# Altium PCB Main.PcbDoc (part 2 of 2)
Units mil, origin at the board's own origin, x right, y up, seen from the top; angles counter-clockwise.
Board outline 5243.55 x 2100.99 mil, 2 copper layers (Top Layer, Bottom Layer); 45 components, 63 nets, 314 pads, 247 vias.
Unrouted connection lines stored in the file: 45.
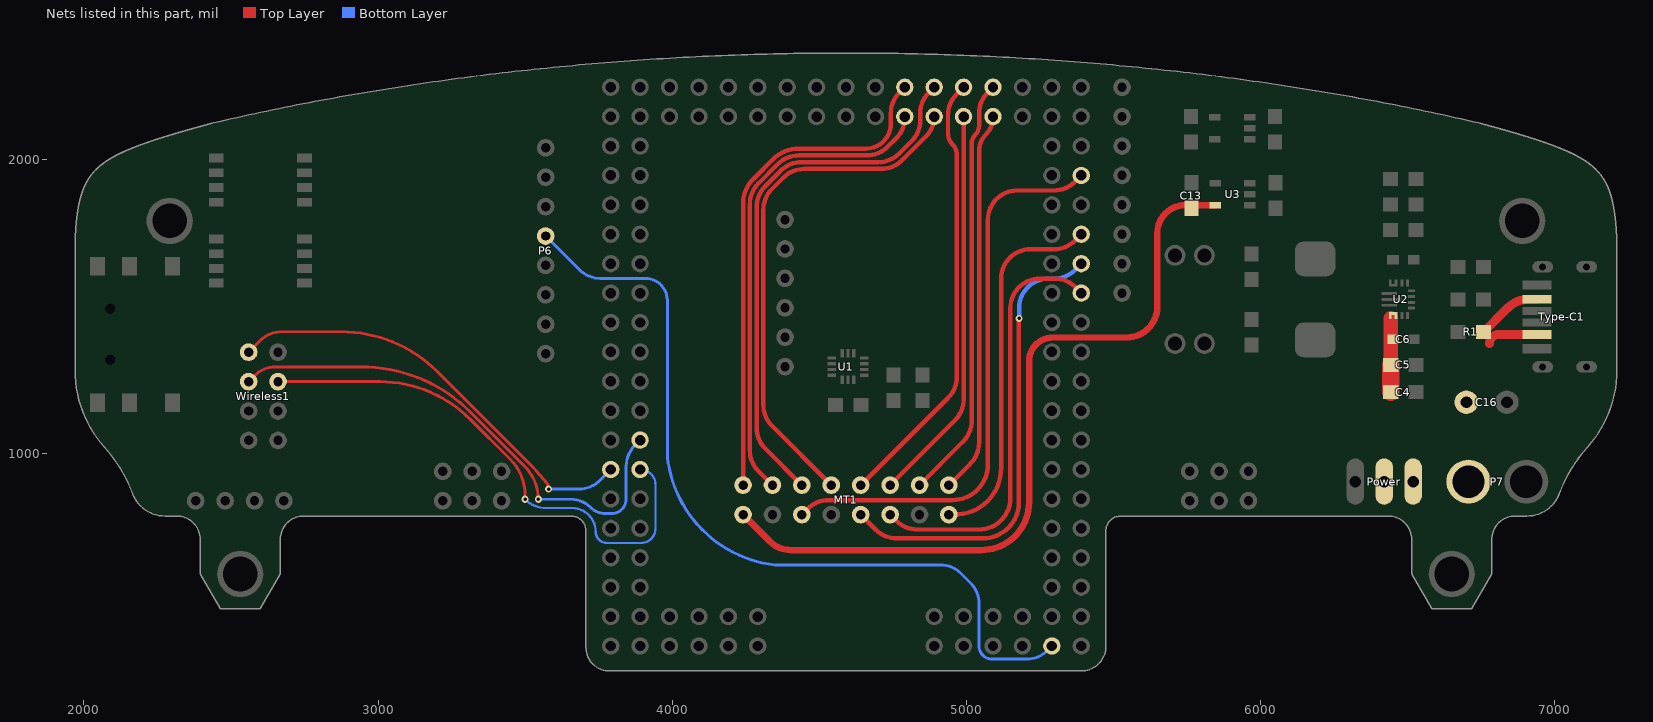
[diagram p2: the nets of this part, all layers, seen from the top]

## Via types
v1: diameter 24, hole 12, Top Layer to Bottom Layer, tented both sides, 244 vias
v2: diameter 40, hole 25, Top Layer to Bottom Layer, 1 vias
v3: diameter 30, hole 15, Top Layer to Bottom Layer, tented both sides, 1 vias
v4: diameter 35, hole 20, Top Layer to Bottom Layer, tented both sides, 1 vias

## Nets (pads, with @x,y where several pads share a name; then routed paths per layer and width w, separated by ;. In a path a pad name is that pad's centre, name@x,y a point inside that pad or via, vN(x,y) a via of type N, cw(c..) or ccw(c..) an arc to the next point about the centre after c; other vN are vias at no path point) (continued)
SPI_SDA: P6.4 U1.57 | length 2799.5
  Bottom Layer w10: P6.4@3570,1740.16 3684.77,1625.39 ccw(c3755.48,1696.1) 3755.48,1596.1 3908.81,1596.1 cw(c3908.81,1521.1) 3983.81,1521.1 3983.81,990.61 ccw(c3993.81,990.69) 3983.86,989.67 ccw(c4397.99,1035.29) 4350.16,621.41 4350.75,621.41 4911.37,622.1 ; 4911.39,622.1 cw(c4911.39,522.1) 4982.1,592.81 5014.52,560.39 cw(c4943.81,489.68) 5043.81,489.68 5043.81,346.1 ccw(c5088.81,346.1) 5088.81,301.1 5204.89,301.1 ccw(c5204.89,401.1) 5275.6,330.39 U1.57@5291.31,346.1
SXT_3V3: C13.2 MT1.16 U3.5 | length 2633.8
  Top Layer w22: MT1.16@4241.31,792.8 4332.61,701.49 ccw(c4403.32,772.2) 4403.32,672.2 5051.83,672.2 ccw(c5051.83,834.18) 5213.81,834.18 5213.81,1313.81 cw(c5295,1313.81) 5295,1395 5545,1395 ccw(c5545,1500) 5650,1500 5650,1750 cw(c5745,1750) 5745,1845 5765.94,1845 U3.5@5846.89,1845
V_BAT: P7.1 Power.1
VCC: C4.2 C5.2 C6.2 C16.1 Power.2 R1.1 Type-C1.A9 Type-C1.B9 U2.12 | length 651
  Top Layer w30: R1.1@6759.79,1413.9 6841.53,1495.63 cw(c6912.24,1424.92) 6912.24,1524.92 Type-C1.A9@6940.71,1524.92 ; 6780,1375 cw(c6810.24,1375) 6810.24,1405.24 Type-C1.B9@6940.71,1405.24
  Top Layer w49: C5.2@6443.81,1302.03 U2.12@6443.81,1460
  Top Layer w60: C4.2@6443.81,1209.53 C5.2@6443.81,1302.03
WL_RTS: U1.28 Wireless1.4 | length 1807.9
  Top Layer w10: Wireless1.4@2660,1245 3005.94,1245 cw(c3006.01,812.87) 3311.54,1118.46 3311.63,1118.37 3450.19,979.81 3450.25,979.75 cw(c3330.15,859.64) 3500,859.63 ; v1(3500,845) 3500,859.58
  Bottom Layer w8: v1(3500,845) 3500.71,844.29 ccw(c3571.42,915) 3571.42,815 3660,815 cw(c3660,735) 3740,735 ccw(c3778.9,735) 3778.9,696.1 3893.81,696.1 ccw(c3893.81,746.1) 3943.81,746.1 3943.81,893.6 ccw(c3891.31,893.6) U1.28@3891.31,946.1
WL_RX: U1.26 Wireless1.3 | length 1752.6
  Top Layer w10: Wireless1.3@2560,1245 2580.71,1265.71 cw(c2651.42,1195) 2651.42,1295 2943.87,1295 cw(c2943.93,772.27) 3313.55,1141.91 3313.62,1141.84 3498.66,956.8 ; 3498.69,956.77 cw(c3386.98,845) v1(3545,845)
  Bottom Layer w10: v1(3545,845) 3656.11,845 cw(c3656.11,751.11) 3722.5,817.5 ccw(c3774.16,869.16) 3774.16,796.1 3793.81,796.1 ccw(c3793.81,846.1) 3843.81,846.1 3843.81,957.18 cw(c3943.81,957.18) 3873.1,1027.89 U1.26@3891.31,1046.1
WL_TX: U1.27 Wireless1.1 | length 1490.1
  Top Layer w10: Wireless1.1@2560,1345 2600.4,1385.4 cw(c2671.11,1314.69) 2600.71,1385.71 cw(c2671.11,1314.69) 2671.11,1414.69 2873.76,1414.69 ; 2873.8,1414.69 cw(c2873.82,950.2) 3202.27,1278.64 3202.33,1278.58 3528.43,952.48 ; 3528.44,952.47 cw(c3445,869.03) 3539.05,940.3 cw(c3516.68,923.46) 3539.67,939.44 cw(c3516.68,923.46) 3539.93,939.06 3573.55,899.84 cw(c3554.02,883.06) 3579.76,883 v1(3579.76,879.76)
  Bottom Layer w10: v1(3579.76,879.76) 3683.55,879.76 ccw(c3683.55,979.76) 3754.26,909.05 U1.27@3791.31,946.1
ZZF0_OUT1: MT1.1 U1.99 | length 1301.3
  Top Layer w15: MT1.1@4941.31,892.8 5014.52,966.01 ccw(c4943.81,1036.72) 5043.81,1036.72 5043.81,2028.61 cw(c5124.89,2028.61) 5067.56,2085.95 ccw(c5010.22,2143.29) U1.99@5091.31,2143.29
ZZF0_OUT2: MT1.3 U1.100 | length 1444.6
  Top Layer w15: MT1.3@4841.31,892.8 4989.52,1041.01 ccw(c4918.81,1111.72) 5018.81,1111.72 5018.81,2054.52 cw(c5061.48,2054.52) 5031.31,2084.7 ccw(c5001.13,2114.88) 5043.81,2114.88 5043.81,2157.18 cw(c5143.81,2157.18) 5073.1,2227.89 U1.100@5091.31,2246.1
ZZF0_OUT3: MT1.5 U1.101 | length 1352.6
  Top Layer w15: MT1.5@4741.31,892.8 4962.02,1113.51 ccw(c4891.31,1184.22) 4991.31,1184.22 U1.101@4991.31,2146.1
ZZF0_OUT4: MT1.7 U1.102 | length 1510.3
  Top Layer w15: MT1.7@4641.31,892.8 4939.02,1190.51 ccw(c4868.31,1261.22) 4968.31,1261.22 4968.31,2015.64 ccw(c4916.75,2015.64) 4953.21,2052.1 ; 4953.18,2052.13 cw(c4989.66,2088.56) 4938.11,2088.56 4938.11,2151.48 cw(c5038.11,2151.48) 4967.4,2222.19 U1.102@4991.31,2246.1
ZZF0_OUT5: MT1.9 U1.103 | length 1770.2
  Top Layer w15: MT1.9@4541.31,892.8 4339.6,1094.51 cw(c4410.31,1165.22) 4310.31,1165.22 4310.31,1829.22 cw(c4410.31,1829.22) 4339.6,1899.94 4378.57,1938.91 cw(c4449.28,1868.2) 4449.28,1968.2 4710.91,1968.2 ccw(c4710.91,2068.2) 4781.62,1997.49 4863.78,2079.65 ccw(c4797.32,2146.1) U1.103@4891.31,2146.1
ZZF0_OUT6: MT1.11 U1.104 | length 1843.4
  Top Layer w15: MT1.11@4441.31,892.8 4316.6,1017.51 cw(c4387.31,1088.22) 4287.31,1088.22 4287.31,1838.75 cw(c4387.31,1838.75) 4316.6,1909.46 4369.04,1961.91 cw(c4439.76,1891.2) 4439.76,1991.2 4701.39,1991.2 ccw(c4701.39,2091.2) 4772.1,2020.49 4814.52,2062.91 ccw(c4743.81,2133.62) 4843.81,2133.62 4843.81,2158.45 cw(c4940.74,2158.45) 4872.2,2226.99 U1.104@4891.31,2246.1
ZZF0_OUT7: MT1.13 U1.105 | length 1663.6
  Top Layer w15: MT1.13@4341.31,892.8 4293.6,940.51 cw(c4364.31,1011.22) 4264.31,1011.22 4264.31,1848.28 cw(c4364.31,1848.28) 4293.6,1918.99 4359.52,1984.91 cw(c4430.23,1914.2) 4430.23,2014.2 4662.12,2014.2 ccw(c4662.12,2114.2) 4732.83,2043.49 4762.02,2072.68 ccw(c4691.31,2143.39) U1.105@4791.31,2143.39
ZZF0_OUT8: MT1.15 U1.106 | length 1743.4
  Top Layer w15: MT1.15@4241.31,892.8 4241.31,1853.28 cw(c4341.31,1853.28) 4251.24,1896.72 ccw(c4237.7,1903.18) 4251.44,1897.16 cw(c4364.31,1848.28) 4277.28,1935.2 4343.28,2001.2 cw(c4430.23,1914.2) 4430.23,2037.2 4658.81,2037.2 ccw(c4658.81,2122.2) 4743.81,2122.2 4743.81,2157.18 cw(c4843.81,2157.18) 4773.1,2227.89 U1.106@4791.31,2246.1
ZZF0_PCLK: MT1.2 U1.86 | length 1258.8
  Top Layer w15: MT1.2@4941.31,792.8 4961.84,792.8 ccw(c4961.84,949.76) 5118.81,949.76 5118.81,1595 cw(c5218.81,1595) 5218.81,1695 5298.78,1695 ccw(c5298.78,1795) 5369.49,1724.29 U1.86@5391.31,1746.1
ZZF0_RX1: MT1.6 U1.82 | length 1446.9
  Top Layer w15: MT1.6@4741.31,792.8 4762.61,771.49 ccw(c4833.32,842.2) 4833.32,742.2 5043.81,742.2 ccw(c5043.81,848.79) 5150.39,848.79 5150.39,1133.65 5150.31,1133.73 5150.31,1495 cw(c5250.31,1495) 5250.31,1595 5300.99,1595 cw(c5300.99,1495) 5371.7,1565.71 U1.82@5391.31,1546.1
ZZF0_TX1: MT1.8 U1.84 | length 1583.2
  Top Layer w15: MT1.8@4641.31,792.8 4692.61,741.49 ccw(c4763.32,812.2) 4763.32,712.2 5057.84,712.2 ccw(c5057.84,833.17) 5178.81,833.17 5178.81,1458.81 v1(5180,1460)
  Bottom Layer w15: v1(5180,1460) 5180,1495 cw(c5280,1495) 5280,1595 5298.78,1595 ccw(c5298.78,1695) 5369.49,1624.29 U1.84@5391.31,1646.1
ZZF0_VSYNC: MT1.12 U1.90 | length 1941.3
  Top Layer w15: MT1.12@4441.31,792.8 4461.42,812.91 cw(c4532.13,742.2) 4532.13,842.2 4953.66,842.2 ccw(c4953.66,962.35) 5073.81,962.35 5073.81,1795 cw(c5173.81,1795) 5173.81,1895 5298.78,1895 ccw(c5298.78,1995) 5369.49,1924.29 U1.90@5391.31,1946.1
pads on no net: Encoder.5 Encoder.6 Hole1.0 Hole2.0 Hole3.0 Hole4.0 ICM-1.2 ICM-1.3 ICM-1.4 ICM-1.9 ICM-1.10 ICM-1.11 K1. MT1.10 Power.3 Type-C1.0 Type-C1.A5 Type-C1.B5 U1.5 U1.6 U1.7 U1.8 U1.9 U1.10 U1.11 U1.12 U1.13 U1.14 U1.15 U1.16 U1.17 U1.18 U1.19 U1.22 U1.35 U1.37 U1.38 U1.39 U1.40 U1.41 U1.43 U1.45 U1.46 U1.47 U1.48 U1.49 U1.50 U1.51 U1.52 U1.53 U1.64 U1.65 U1.66 U1.67 U1.68 U1.69 U1.70 U1.71 U1.72 U1.73 U1.74 U1.75 U1.76 U1.77 U1.78 U1.79 U1.80 U1.81 U1.83 U1.88 U1.89 U1.91 U1.97 U1.110 U1.111 U1.112 U1.113 U1.114 U1.115 U1.116 U1.117 U1.118 U1.119 U1.120 U1.121 U1.122 U3.4 U4.4 Wireless1.2 Wireless1.8

## Polygon pours and split planes (outlines as drawn)
GND on Bottom Layer "GND_L02_P011" (solid, remove dead copper, pour order 11): 1930,220 7260,220 7260,2392.37 1930,2392.37
3V3 on Bottom Layer "3V3_L02_P008" (solid, remove dead copper, pour order 8): 5525,1685 ccw(c5524.99,1625.01) 5465,1625 5465,1495 cw(c5380,1495) 5380,1410 4772.07,1410 ccw(c4772.07,1400.86) 4765.61,1394.39 4850.86,1309.14 ccw(c4912.67,1370.96) 4912.67,1283.54 5448.54,1283.54 ccw(c5448.54,1420) 5585,1420 5585,1625 ccw(c5525,1625)
V_BAT on Bottom Layer "V_BAT_L02_P004" (solid, remove dead copper, pour order 4): 6520,985 ccw(c6520,955) 6490,955 6490,855 ccw(c6520,855) 6520,825 6710,825 ccw(c6710,900) 6785,900 6785,910 ccw(c6710,910) 6710,985
GND on Top Layer "GND_L01_P010" (solid, remove dead copper, pour order 10): 1930,220 7260,220 7260,2392.37 1930,2392.37
VCC on Top Layer "VCC_L01_P007" (solid, remove dead copper, pour order 7): 6410,1215.47 6410,1117.59 cw(c6355.44,1117.56) 6394,1078.95 ccw(c6439.81,1033.11) 6375,1033.09 6375,855 ccw(c6419.98,854.98) 6420,810 ccw(c6420,860) 6470,860 6470,942.6 cw(c6542.39,942.6) 6542.4,1015 ccw(c6542.4,1230.16) 6740.8,1146.89 6844.02,1392.8 6844.99,1395.46 ccw(c6844.84,1395.51) 6844.68,1395.51 6844.68,1419.65 ccw(c6800.01,1425.01) 6800,1470 6754.37,1470 ccw(c6754.37,1425.56) 6709.92,1425.92 6709.73,1403.66 cw(c6593.94,1404.64) 6690.53,1340.77 6597.23,1199.64 cw(c6532.8,1242.23) 6532.8,1165 6525,1165 cw(c6525,1210.68) 6479.32,1210.68 6479.32,1222.42 ccw(c6455.96,1222.42) 6470.34,1240.83 6448.02,1258.26 6425.64,1252.66 6420.56,1246.14 ccw(c6459.84,1215.47)
V_BAT on Top Layer "V_BAT_L01_P005" (solid, remove dead copper, pour order 5): 6520,985 ccw(c6520,955) 6490,955 6490,855 ccw(c6520,855) 6520,825 6710,825 ccw(c6710,900) 6785,900 6785,910 ccw(c6710,910) 6710,985

## Keep-outs
Keep-Out Layer:
  lines w10: 2439.32,2124.62 2459.37,2129.28 2479.47,2133.89 2499.61,2138.45 2519.79,2142.98 2540.02,2147.45 2560.28,2151.89 2580.59,2156.28 2600.94,2160.63 2621.33,2164.93 2641.76,2169.18 2662.23,2173.4 2682.74,2177.57 2703.29,2181.69 2723.88,2185.77 2744.51,2189.8 2765.17,2193.79 2785.87,2197.74 2806.61,2201.64 2827.38,2205.49 2848.19,2209.3 2869.04,2213.07 2889.92,2216.79 2910.84,2220.46 2931.79,2224.09 2952.78,2227.67 2973.8,2231.21 2994.85,2234.7 3015.93,2238.14 3037.05,2241.54 3058.2,2244.9 3079.38,2248.2 3100.59,2251.47 3121.83,2254.68 3143.1,2257.85 3164.4,2260.97 3185.74,2264.05 3207.09,2267.08 3228.48,2270.07 3249.9,2273 3271.34,2275.89 3292.81,2278.74 3314.31,2281.54 3335.83,2284.29 3357.38,2286.99 3378.95,2289.65 3400.55,2292.26 3422.18,2294.82 3443.82,2297.34 3465.49,2299.81 3487.19,2302.23 3508.9,2304.6 3530.64,2306.93 3552.4,2309.21 3574.18,2311.45 3595.99,2313.63 3617.81,2315.77 3639.65,2317.86 3661.51,2319.91 3683.4,2321.9 3705.3,2323.85 3727.21,2325.75 3749.15,2327.61 3771.1,2329.41 3793.07,2331.17 3815.06,2332.88 3837.06,2334.54 3859.08,2336.16 3881.11,2337.72 3903.16,2339.24 3925.22,2340.71 3947.29,2342.14 3969.38,2343.51 3991.48,2344.84 4013.59,2346.12 4035.72,2347.35 4057.86,2348.53 4080,2349.67 4102.16,2350.76 4124.33,2351.79 4146.51,2352.78 4168.69,2353.73 4190.89,2354.62 4213.09,2355.47 4235.3,2356.26 4257.52,2357.01 4279.74,2357.71 4301.98,2358.37 4324.21,2358.97 4346.46,2359.53 4368.7,2360.04 4390.96,2360.5 4413.21,2360.91 4435.47,2361.27 4457.74,2361.58 4480,2361.85 4502.27,2362.07 4524.54,2362.24 4546.81,2362.36 4569.08,2362.43 4591.36,2362.45 ; 2439.67,2124.72 2435.3,2123.55 2433.13,2122.97 2430.98,2122.39 2428.85,2121.82 2426.73,2121.25 2424.62,2120.69 2422.53,2120.12 2420.45,2119.56 2418.39,2119.01 2416.34,2118.45 2414.3,2117.9 2412.28,2117.35 2410.27,2116.81 2408.28,2116.26 2406.29,2115.72 2404.32,2115.19 2402.37,2114.65 2400.42,2114.12 2398.49,2113.59 2396.57,2113.07 2394.66,2112.54 2392.77,2112.02 2390.88,2111.51 2389.01,2110.99 2387.15,2110.48 2385.31,2109.97 2383.47,2109.46 2381.65,2108.96 2379.83,2108.45 2378.03,2107.95 2376.24,2107.45 2374.46,2106.96 2372.69,2106.47 2370.94,2105.98 2369.19,2105.49 2367.45,2105 2365.73,2104.52 2364.01,2104.04 2362.31,2103.56 2360.62,2103.08 2358.93,2102.61 2357.26,2102.13 2355.6,2101.66 2353.94,2101.19 2352.3,2100.73 2350.66,2100.26 2349.04,2099.8 2347.43,2099.34 2345.82,2098.88 2344.23,2098.43 2342.64,2097.97 2341.06,2097.52 2339.49,2097.07 2337.94,2096.62 2336.39,2096.18 2334.85,2095.73 2333.31,2095.29 2331.79,2094.85 2330.28,2094.41 2328.77,2093.97 2327.28,2093.54 2325.79,2093.1 2324.31,2092.67 2322.84,2092.24 2321.37,2091.81 2319.92,2091.39 2318.47,2090.96 2317.03,2090.54 2315.6,2090.12 2314.18,2089.7 2312.76,2089.28 2311.36,2088.86 2309.96,2088.45 2308.56,2088.04 2307.18,2087.63 2305.8,2087.22 2304.44,2086.81 2303.07,2086.4 2301.72,2085.99 2300.37,2085.59 2299.03,2085.19 2297.7,2084.79 2296.38,2084.39 2295.06,2083.99 2293.75,2083.59 2292.44,2083.2 2291.15,2082.81 2289.86,2082.41 2288.57,2082.02 2287.3,2081.63 2286.03,2081.24 2284.76,2080.86 2283.51,2080.47 2282.26,2080.09 2279.78,2079.32 2277.32,2078.57 2274.89,2077.81 2272.49,2077.06 2270.11,2076.32 2267.75,2075.58 2265.42,2074.85 2263.11,2074.12 2260.83,2073.39 2258.56,2072.67 2256.32,2071.96 2254.11,2071.24 2251.91,2070.54 2249.73,2069.83 2247.58,2069.13 2245.45,2068.44 2243.33,2067.75 2241.24,2067.06 2239.17,2066.38 2237.12,2065.7 2235.08,2065.02 2233.07,2064.35 2231.07,2063.68 2229.09,2063.02 2227.14,2062.35 2225.2,2061.7 2223.27,2061.04 2221.37,2060.39 2219.48,2059.74 2217.61,2059.09 2215.76,2058.45 2213.92,2057.81 2212.1,2057.18 2210.29,2056.54 2208.51,2055.91 2206.73,2055.28 2204.98,2054.66 2203.24,2054.04 2201.51,2053.42 2199.8,2052.8 2198.1,2052.19 2196.42,2051.57 2194.75,2050.96 2193.1,2050.36 2191.46,2049.75 2189.84,2049.15 2188.22,2048.55 2186.63,2047.95 2185.04,2047.36 2183.47,2046.76 2181.91,2046.17 2180.37,2045.58 2178.84,2045 2177.32,2044.41 2175.81,2043.83 2174.32,2043.25 2172.83,2042.67 2171.36,2042.09 2169.9,2041.52 2168.46,2040.94 2167.02,2040.37 2165.6,2039.8 2164.18,2039.23 2162.78,2038.66 2161.39,2038.1 2160.01,2037.54 2158.64,2036.97 2157.29,2036.41 2155.94,2035.85 2154.6,2035.3 2153.28,2034.74 2151.96,2034.18 2150.65,2033.63 2149.36,2033.08 2148.07,2032.53 2146.79,2031.98 2145.53,2031.43 2144.27,2030.88 2143.02,2030.33 2141.78,2029.79 2140.55,2029.24 2139.33,2028.7 2138.12,2028.16 2136.92,2027.62 2135.73,2027.08 2134.54,2026.54 2133.37,2026 2132.2,2025.46 2131.04,2024.93 2129.89,2024.39 2128.75,2023.86 2127.61,2023.32 2126.49,2022.79 2125.37,2022.26 2124.26,2021.72 2123.16,2021.19 2122.07,2020.66 2120.98,2020.13 2119.9,2019.6 2118.83,2019.08 2117.77,2018.55 2116.71,2018.02 2115.66,2017.49 2114.62,2016.97 2113.59,2016.44 2112.56,2015.92 2111.54,2015.39 2110.53,2014.87 2109.52,2014.34 2108.52,2013.82 2107.53,2013.29 2106.54,2012.77 2105.56,2012.25 2104.59,2011.73 2103.62,2011.2 2102.67,2010.68 2101.71,2010.16 2100.77,2009.64 2099.83,2009.12 2098.89,2008.59 2097.96,2008.07 2097.04,2007.55 2096.13,2007.03 2095.22,2006.51 2094.31,2005.99 2093.41,2005.47 2092.52,2004.95 2091.64,2004.42 2090.76,2003.9 2089.88,2003.38 2089.01,2002.86 2088.15,2002.34 2087.29,2001.82 2086.44,2001.3 2085.59,2000.77 2084.75,2000.25 2083.91,1999.73 2083.08,1999.21 2082.26,1998.68 2081.44,1998.16 2080.62,1997.64 2079.81,1997.11 2079,1996.59 2078.2,1996.07 2077.41,1995.54 2076.62,1995.02 2075.44,1994.23 2074.28,1993.44 2073.12,1992.65 2071.98,1991.86 2070.84,1991.06 2069.72,1990.27 2068.61,1989.47 2067.5,1988.68 2066.41,1987.88 2065.33,1987.08 2064.26,1986.28 2063.19,1985.48 2062.14,1984.67 2061.09,1983.86 2060.06,1983.06 2059.03,1982.25 2058.01,1981.43 2057,1980.62 2056,1979.8 2055.01,1978.98 2054.03,1978.16 2053.06,1977.34 2052.09,1976.51 2050.82,1975.41 2049.56,1974.3 2048.32,1973.19 2047.08,1972.07 2045.87,1970.95 2044.66,1969.82 2043.48,1968.68 2042.01,1967.26 2040.56,1965.82 2039.13,1964.38 2037.45,1962.63 2035.79,1960.87 2033.89,1958.8 2031.77,1956.41 ccw(c2171.94,1834.11) 2029.17,1953.37 ccw(c2170.4,1835.39) 2025.17,1948.41 ccw(c2169.85,1835.83) 2016.35,1936.04 ccw(c2172.25,1834.24) 2014.17,1932.63 2012.47,1929.85 2011.02,1927.37 2009.79,1925.22 2008.79,1923.41 2007.8,1921.58 2006.82,1919.72 2006.05,1918.22 2005.28,1916.7 2004.53,1915.17 2003.78,1913.63 2003.04,1912.07 2002.31,1910.49 2001.58,1908.9 2001.05,1907.69 2000.52,1906.48 1999.99,1905.25 1999.47,1904.02 1998.95,1902.78 1998.43,1901.52 1997.92,1900.26 1997.42,1898.98 1996.92,1897.7 1996.42,1896.4 1995.93,1895.1 1995.44,1893.78 1994.96,1892.45 1994.48,1891.11 1994,1889.75 1993.53,1888.39 1993.06,1887.01 1992.6,1885.62 1992.14,1884.22 1991.84,1883.28 1991.54,1882.33 1991.24,1881.38 1990.94,1880.42 1990.65,1879.46 1990.35,1878.49 1990.06,1877.51 1989.77,1876.53 1989.48,1875.54 1989.19,1874.54 1988.91,1873.54 1988.63,1872.53 1988.35,1871.52 1988.07,1870.49 1987.79,1869.47 1987.51,1868.43 1987.24,1867.39 1986.97,1866.34 1986.7,1865.28 1986.43,1864.22 1986.16,1863.15 1985.9,1862.07 1985.63,1860.99 1985.37,1859.9 1985.11,1858.8 1984.86,1857.69 1984.6,1856.57 1984.35,1855.45 1984.09,1854.32 1983.84,1853.18 1983.6,1852.03 1983.35,1850.88 1983.1,1849.71 1982.86,1848.54 1982.62,1847.36 1982.38,1846.17 1982.14,1844.98 1981.91,1843.77 1981.67,1842.55 1981.44,1841.33 1981.21,1840.09 1980.98,1838.85 1980.75,1837.6 1980.53,1836.34 1980.31,1835.06 1980.08,1833.78 1979.86,1832.49 1979.65,1831.19 1979.43,1829.88 1979.22,1828.55 1979,1827.22 1978.79,1825.88 1978.59,1824.52 1978.38,1823.16 1978.17,1821.78 1977.97,1820.4 1977.77,1819 1977.57,1817.59 1977.37,1816.16 1977.18,1814.73 1976.98,1813.29 1976.79,1811.83 1976.6,1810.36 1976.42,1808.88 1976.23,1807.38 1976.05,1805.87 1975.86,1804.35 1975.68,1802.82 1975.5,1801.27 1975.33,1799.71 1975.15,1798.13 1974.98,1796.54 1974.81,1794.94 1974.64,1793.32 1974.48,1791.69 1974.31,1790.04 1974.15,1788.38 1973.99,1786.7 1973.83,1785.01 1973.67,1783.3 1973.52,1781.58 1973.37,1779.84 1973.22,1778.08 1973.07,1776.31 1972.92,1774.52 1972.78,1772.71 1972.64,1770.88 1972.5,1769.04 1972.36,1767.18 1972.23,1765.3 1972.09,1763.4 1971.96,1761.48 1971.84,1759.55 1971.71,1757.59 1971.59,1755.62 1971.46,1753.62 1971.34,1751.61 1971.23,1749.57 1971.11,1747.51 1971,1745.43 1970.89,1743.33 1970.78,1741.21 1970.68,1739.06 1970.58,1736.89 1970.53,1735.8 1970.48,1734.7 1970.43,1733.6 1970.38,1732.49 1970.33,1731.37 1970.28,1730.25 1970.24,1729.12 1970.19,1727.98 1970.14,1726.84 1970.1,1725.69 1970.06,1724.54 1970.01,1723.38 1969.97,1722.21 1969.93,1721.04 1969.89,1719.86 1969.85,1718.67 1969.81,1717.48 1969.77,1716.28 1969.73,1715.07 1969.69,1713.86 1969.59,1283.54 ccw(c2363.29,1284.4) 2069.8,1021.98 cw(c1697.66,689.23) 2165.15,864.33 ccw(c2275.76,905.76) 2275.76,787.65 2316.34,787.65 cw(c2316.34,708.91) 2395.08,708.91 2395.08,590.8 2463.27,472.69 2599.66,472.69 2667.85,590.8 2667.85,708.91 cw(c2746.59,708.91) 2746.59,787.65 3620,787.65 3657.01,787.65 cw(c3657.01,737.65) 3707.01,737.65 3707.01,340.89 ccw(c3786.44,340.89) 3786.44,261.46 5392.15,261.46 ccw(c5392.15,344.31) 5475,344.31 5475,737.65 cw(c5525,737.65) 5525,787.65 5565,787.65 6436.03,787.65 cw(c6436.03,708.91) 6514.77,708.91 6514.77,590.8 6582.96,472.69 6719.34,472.69 6787.53,590.8 6787.53,708.91 cw(c6866.27,708.91) 6866.27,787.65 6906.86,787.65 ccw(c6906.86,905.76) 7017.46,864.33 cw(c7484.96,689.23) 7112.81,1021.98 ccw(c6819.33,1284.4) 7213.03,1283.54 7213.03,1710.51 ; 4591.26,2362.45 4613.53,2362.43 4635.8,2362.36 4658.07,2362.24 4680.34,2362.07 4702.61,2361.85 4724.88,2361.58 4747.14,2361.27 4769.4,2360.91 4791.66,2360.5 4813.91,2360.04 4836.16,2359.53 4858.4,2358.97 4880.64,2358.37 4902.87,2357.71 4925.1,2357.01 4947.31,2356.26 4969.52,2355.47 4991.73,2354.62 5013.92,2353.73 5036.11,2352.78 5058.29,2351.79 5080.45,2350.76 5102.61,2349.67 5124.76,2348.53 5146.9,2347.35 5169.02,2346.12 5191.13,2344.84 5213.23,2343.51 5235.32,2342.14 5257.4,2340.71 5279.46,2339.24 5301.5,2337.72 5323.54,2336.16 5345.55,2334.54 5367.56,2332.88 5389.54,2331.17 5411.51,2329.41 5433.47,2327.61 5455.4,2325.75 5477.32,2323.85 5499.22,2321.9 5521.1,2319.91 5542.96,2317.86 5564.8,2315.77 5586.63,2313.63 5608.43,2311.45 5630.21,2309.21 5651.97,2306.93 5673.71,2304.6 5695.43,2302.23 5717.12,2299.81 5738.79,2297.34 5760.44,2294.82 5782.06,2292.26 5803.66,2289.65 5825.23,2286.99 5846.78,2284.29 5868.31,2281.54 5889.8,2278.74 5911.27,2275.89 5932.72,2273 5954.13,2270.07 5975.52,2267.08 5996.88,2264.05 6018.21,2260.97 6039.51,2257.85 6060.78,2254.68 6082.03,2251.47 6103.24,2248.2 6124.42,2244.9 6145.57,2241.54 6166.68,2238.14 6187.77,2234.7 6208.82,2231.21 6229.84,2227.67 6250.82,2224.09 6271.77,2220.46 6292.69,2216.79 6313.57,2213.07 6334.42,2209.3 6355.23,2205.49 6376.01,2201.64 6396.74,2197.74 6417.45,2193.79 6438.11,2189.8 6458.74,2185.77 6479.32,2181.69 6499.87,2177.57 6520.38,2173.4 6540.85,2169.18 6561.28,2164.93 6581.67,2160.63 6602.02,2156.28 6622.33,2151.89 6642.6,2147.45 6662.82,2142.98 6683.01,2138.45 6703.15,2133.89 6723.24,2129.28 6743.29,2124.62 ; 6742.95,2124.72 6747.32,2123.55 6749.48,2122.97 6751.63,2122.39 6753.77,2121.82 6755.89,2121.25 6757.99,2120.69 6760.08,2120.12 6762.16,2119.56 6764.22,2119.01 6766.27,2118.45 6768.31,2117.9 6770.33,2117.35 6772.34,2116.81 6774.34,2116.26 6776.32,2115.72 6778.29,2115.19 6780.25,2114.65 6782.19,2114.12 6784.13,2113.59 6786.05,2113.07 6787.95,2112.54 6789.85,2112.02 6791.73,2111.51 6793.6,2110.99 6795.46,2110.48 6797.31,2109.97 6799.15,2109.46 6800.97,2108.96 6802.78,2108.45 6804.58,2107.95 6806.37,2107.45 6808.15,2106.96 6809.92,2106.47 6811.68,2105.98 6813.43,2105.49 6815.16,2105 6816.89,2104.52 6818.6,2104.04 6820.3,2103.56 6822,2103.08 6823.68,2102.61 6825.36,2102.13 6827.02,2101.66 6828.67,2101.19 6830.32,2100.73 6831.95,2100.26 6833.57,2099.8 6835.19,2099.34 6836.79,2098.88 6838.39,2098.43 6839.98,2097.97 6841.55,2097.52 6843.12,2097.07 6844.68,2096.62 6846.23,2096.18 6847.77,2095.73 6849.3,2095.29 6850.82,2094.85 6852.34,2094.41 6853.84,2093.97 6855.34,2093.54 6856.83,2093.1 6858.31,2092.67 6859.78,2092.24 6861.24,2091.81 6862.7,2091.39 6864.14,2090.96 6865.58,2090.54 6867.01,2090.12 6868.44,2089.7 6869.85,2089.28 6871.26,2088.86 6872.66,2088.45 6874.05,2088.04 6875.43,2087.63 6876.81,2087.22 6878.18,2086.81 6879.54,2086.4 6880.89,2085.99 6882.24,2085.59 6883.58,2085.19 6884.91,2084.79 6886.24,2084.39 6887.56,2083.99 6888.87,2083.59 6890.17,2083.2 6891.47,2082.81 6892.76,2082.41 6894.04,2082.02 6895.32,2081.63 6896.59,2081.24 6897.85,2080.86 6899.11,2080.47 6900.36,2080.09 6902.84,2079.32 6905.29,2078.57 6907.72,2077.81 6910.12,2077.06 6912.5,2076.32 6914.86,2075.58 6917.19,2074.85 6919.5,2074.12 6921.79,2073.39 6924.05,2072.67 6926.29,2071.96 6928.51,2071.24 6930.71,2070.54 6932.88,2069.83 6935.04,2069.13 6937.17,2068.44 6939.28,2067.75 6941.37,2067.06 6943.45,2066.38 6945.5,2065.7 6947.53,2065.02 6949.55,2064.35 6951.54,2063.68 6953.52,2063.02 6955.48,2062.35 6957.42,2061.7 6959.34,2061.04 6961.25,2060.39 6963.13,2059.74 6965,2059.09 6966.86,2058.45 6968.7,2057.81 6970.52,2057.18 6972.32,2056.54 6974.11,2055.91 6975.88,2055.28 6977.64,2054.66 6979.38,2054.04 6981.11,2053.42 6982.82,2052.8 6984.51,2052.19 6986.19,2051.57 6987.86,2050.96 6989.51,2050.36 6991.15,2049.75 6992.78,2049.15 6994.39,2048.55 6995.99,2047.95 6997.57,2047.36 6999.14,2046.76 7000.7,2046.17 7002.25,2045.58 7003.78,2045 7005.3,2044.41 7006.8,2043.83 7008.3,2043.25 7009.78,2042.67 7011.25,2042.09 7012.71,2041.52 7014.16,2040.94 7015.59,2040.37 7017.02,2039.8 7018.43,2039.23 7019.83,2038.66 7021.22,2038.1 7022.6,2037.54 7023.97,2036.97 7025.33,2036.41 7026.68,2035.85 7028.01,2035.3 7029.34,2034.74 7030.66,2034.18 7031.96,2033.63 7033.26,2033.08 7034.54,2032.53 7035.82,2031.98 7037.09,2031.43 7038.35,2030.88 7039.59,2030.33 7040.83,2029.79 7042.06,2029.24 7043.28,2028.7 7044.49,2028.16 7045.69,2027.62 7046.89,2027.08 7048.07,2026.54 7049.25,2026 7050.42,2025.46 7051.57,2024.93 7052.72,2024.39 7053.87,2023.86 7055,2023.32 7056.13,2022.79 7057.24,2022.26 7058.35,2021.72 7059.46,2021.19 7060.55,2020.66 7061.64,2020.13 7062.71,2019.6 7063.79,2019.08 7064.85,2018.55 7065.9,2018.02 7066.95,2017.49 7067.99,2016.97 7069.03,2016.44 7070.06,2015.92 7071.08,2015.39 7072.09,2014.87 7073.1,2014.34 7074.09,2013.82 7075.09,2013.29 7076.07,2012.77 7077.05,2012.25 7078.02,2011.73 7078.99,2011.2 7079.95,2010.68 7080.9,2010.16 7081.85,2009.64 7082.79,2009.12 7083.72,2008.59 7084.65,2008.07 7085.57,2007.55 7086.49,2007.03 7087.4,2006.51 7088.3,2005.99 7089.2,2005.47 7090.09,2004.95 7090.98,2004.42 7091.86,2003.9 7092.73,2003.38 7093.6,2002.86 7094.47,2002.34 7095.32,2001.82 7096.18,2001.3 7097.02,2000.77 7097.87,2000.25 7098.7,1999.73 7099.53,1999.21 7100.36,1998.68 7101.18,1998.16 7101.99,1997.64 7102.81,1997.11 7103.61,1996.59 7104.41,1996.07 7105.21,1995.54 7106,1995.02 7107.17,1994.23 7108.34,1993.44 7109.49,1992.65 7110.64,1991.86 7111.77,1991.06 7112.89,1990.27 7114.01,1989.47 7115.11,1988.68 7116.2,1987.88 7117.29,1987.08 7118.36,1986.28 7119.42,1985.48 7120.48,1984.67 7121.52,1983.86 7122.56,1983.06 7123.58,1982.25 7124.6,1981.43 7125.61,1980.62 7126.61,1979.8 7127.6,1978.98 7128.58,1978.16 7129.56,1977.34 7130.52,1976.51 7131.8,1975.41 7133.05,1974.3 7134.3,1973.19 7135.53,1972.07 7136.75,1970.95 7137.95,1969.82 7139.14,1968.68 7140.61,1967.26 7142.05,1965.82 7143.48,1964.38 7145.17,1962.63 7146.82,1960.87 7148.72,1958.8 7150.85,1956.41 cw(c7010.68,1834.11) 7153.44,1953.37 cw(c7012.21,1835.39) 7157.44,1948.41 cw(c7012.76,1835.83) 7166.27,1936.04 cw(c7010.37,1834.24) 7168.44,1932.63 7170.14,1929.85 7171.6,1927.37 7172.82,1925.22 7173.83,1923.41 7174.82,1921.58 7175.8,1919.72 7176.57,1918.22 7177.33,1916.7 7178.09,1915.17 7178.84,1913.63 7179.58,1912.07 7180.31,1910.49 7181.03,1908.9 7181.57,1907.69 7182.1,1906.48 7182.63,1905.25 7183.15,1904.02 7183.67,1902.78 7184.18,1901.52 7184.69,1900.26 7185.2,1898.98 7185.7,1897.7 7186.2,1896.4 7186.69,1895.1 7187.18,1893.78 7187.66,1892.45 7188.14,1891.11 7188.61,1889.75 7189.08,1888.39 7189.55,1887.01 7190.01,1885.62 7190.47,1884.22 7190.77,1883.28 7191.08,1882.33 7191.38,1881.38 7191.67,1880.42 7191.97,1879.46 7192.26,1878.49 7192.56,1877.51 7192.85,1876.53 7193.13,1875.54 7193.42,1874.54 7193.7,1873.54 7193.99,1872.53 7194.27,1871.52 7194.55,1870.49 7194.83,1869.47 7195.1,1868.43 7195.38,1867.39 7195.65,1866.34 7195.92,1865.28 7196.19,1864.22 7196.45,1863.15 7196.72,1862.07 7196.98,1860.99 7197.24,1859.9 7197.5,1858.8 7197.76,1857.69 7198.01,1856.57 7198.27,1855.45 7198.52,1854.32 7198.77,1853.18 7199.02,1852.03 7199.27,1850.88 7199.51,1849.71 7199.75,1848.54 7199.99,1847.36 7200.23,1846.17 7200.47,1844.98 7200.71,1843.77 7200.94,1842.55 7201.17,1841.33 7201.4,1840.09 7201.63,1838.85 7201.86,1837.6 7202.09,1836.34 7202.31,1835.06 7202.53,1833.78 7202.75,1832.49 7202.97,1831.19 7203.18,1829.88 7203.4,1828.55 7203.61,1827.22 7203.82,1825.88 7204.03,1824.52 7204.24,1823.16 7204.44,1821.78 7204.64,1820.4 7204.84,1819 7205.04,1817.59 7205.24,1816.16 7205.44,1814.73 7205.63,1813.29 7205.82,1811.83 7206.01,1810.36 7206.2,1808.88 7206.39,1807.38 7206.57,1805.87 7206.75,1804.35 7206.93,1802.82 7207.11,1801.27 7207.29,1799.71 7207.46,1798.13 7207.63,1796.54 7207.8,1794.94 7207.97,1793.32 7208.14,1791.69 7208.3,1790.04 7208.47,1788.38 7208.63,1786.7 7208.78,1785.01 7208.94,1783.3 7209.09,1781.58 7209.25,1779.84 7209.4,1778.08 7209.54,1776.31 7209.69,1774.52 7209.83,1772.71 7209.98,1770.88 7210.11,1769.04 7210.25,1767.18 7210.39,1765.3 7210.52,1763.4 7210.65,1761.48 7210.78,1759.55 7210.91,1757.59 7211.03,1755.62 7211.15,1753.62 7211.27,1751.61 7211.39,1749.57 7211.5,1747.51 7211.61,1745.43 7211.72,1743.33 7211.83,1741.21 7211.94,1739.06 7212.04,1736.89 7212.09,1735.8 7212.14,1734.7 7212.19,1733.6 7212.24,1732.49 7212.28,1731.37 7212.33,1730.25 7212.38,1729.12 7212.42,1727.98 7212.47,1726.84 7212.51,1725.69 7212.56,1724.54 7212.6,1723.38 7212.64,1722.21 7212.69,1721.04 7212.73,1719.86 7212.77,1718.67 7212.81,1717.48 7212.85,1716.28 7212.89,1715.07 7212.92,1713.86 7212.96,1712.64 7213,1711.41 7213.03,1710.18 7213.07,1708.94 7213.1,1707.69 7213.14,1706.43

## Other copper
Top Layer:
  pour cut-out: 5530,2046.1 5530,2320 ccw(c5481.72,2271.72) 5481.72,2340 5290,2340 5290,2249.26 ccw(c5294.46,2249.26) 5291.31,2246.1 5391.31,2246.1
  pour cut-out: 5291.31,446.1 5291.31,346.1 5391.31,346.1 5388.85,343.65 cw(c5318.14,414.36) 5318.14,314.36 5219.7,314.36
  pour cut-out: 2750,1580 2750,1490.9 ccw(c2751.2,1490.9) 2751.2,1489.71 2784.71,1489.71 ccw(c2784.71,1560) 2855,1560
  pour cut-out: 3115,1390 3115,1355 cw(c3025,1355) 3025,1265 3215,1265 cw(c3215,1235) 3245,1235
  pour cut-out: 3703.81,1386.1 cw(c3657.7,1386.1) 3657.7,1340 3635,1340 cw(c3635,1265) 3710,1265
  pour cut-out: 3891.31,546.1 cw(c3891.31,446.1) 3991.31,446.1 3991.31,573.69 ccw(c3985,573.69) 3985,580
  pour cut-out: 4991.31,446.1 4991.31,568.69 ccw(c4975,568.69) 4975,585 5075,585
  pour cut-out: 4641.31,792.8 4641.31,756.31 cw(c4555,756.31) 4555,670 4770,670
  pour cut-out: 4340,2075 cw(c4292.88,2027.88) 4359.52,2027.88 4359.52,1984.91 4368.49,1984.91 ccw(c4368.49,2084.91) 4439.2,2014.2 4470,2045
  pour cut-out: 3891.31,546.1 ccw(c3887.69,549.72) 3892.8,549.72 3892.8,646.1 ccw(c3892.8,738.56) 3958.18,673.18 3970,685
  pour cut-out: 3791.31,646.1 cw(c3788.65,648.76) 3788.65,645 3710,645 3710,664.64 cw(c3795.36,664.64) 3735,725
  pour cut-out: 3891.31,546.1 3891.31,646.1 cw(c3891.31,615.71) 3912.8,637.2 3935,615
  pour cut-out: 4091.31,446.1 3991.31,446.1 cw(c4045.27,446.1) 4007.11,484.26 4012.41,489.55
  pour cut-out: 2560,1345 2467.59,1437.41 ccw(c2396.88,1366.7) 2396.88,1466.7 2345.28,1466.7 ccw(c2345.28,1566.7) 2415.99,1495.99 2430,1510
  pour cut-out: 2750,1580 ccw(c2800,1480) 2800,1530 2835,1530
  pour cut-out: 3570,1340.16 3404.84,1340.16 cw(c3404.84,1345) 3400,1345 3400,1295 ccw(c3442.59,1295) 3442.59,1252.41
  pour cut-out: 2560,1245 2660,1245 2660,1265 cw(c2665,1265) 2665,1270
  pour cut-out: 2045.59,1637.88 2300.59,1637.88 2300.59,1575.59 cw(c2290,1575.59) 2290,1565
  pour cut-out: 5530,2046.1 5643.9,2046.1 cw(c5643.9,2035) 5655,2035 cw(c5606.56,2035) 5606.56,1986.56
  pour cut-out: 5391.31,2246.1 5391.31,1846.1 5476.1,1846.1 ccw(c5476.1,1880) 5510,1880
  pour cut-out: 5391.31,2246.1 5391.31,2146.1 5456.1,2146.1 ccw(c5456.1,2160) 5470,2160
  pour cut-out: 5240,1710 5140,1710 cw(c5140,1775) 5075,1775 5075,1695 cw(c5055,1695) 5055,1675 5055,1620
  pour cut-out: 3420,840 3495,840 ccw(c3495,845) 3500,845 3500,940 cw(c3510,940) 3510,950
  pour cut-out: 4441.31,892.8 4441.31,792.8 4641.31,792.8 4641.31,892.8
  pour cut-out: 4241.31,892.8 4532.58,892.8 4426.1,999.28
  pour cut-out: 2750,1855 2750,1730 2870,1730
  pour cut-out: 4691.31,2246.1 5091.31,2246.1 5091.31,2146.1
  pour cut-out: 3791.31,646.1 3896.25,646.1 3896.25,783.63
Bottom Layer:
  pour cut-out: 4384,1396.1 4334.29,1445.81 cw(c4405,1516.52) 4305,1516.52 4305,1409.14 ccw(c4339.14,1409.14) 4315,1385
  pour cut-out: 3891.31,1346.1 cw(c3900.72,1336.69) 3900.72,1350 3980,1350 cw(c3980,1410.36) 3937.32,1367.68 3915,1390
  pour cut-out: 3430,1045 3480.71,994.29 cw(c3410,923.58) 3510,923.58 3510,865 cw(c3558.28,865) 3524.14,899.14 3640,1015
  pour cut-out: 3220,840 3320,840 cw(c3278.61,840) 3307.88,810.73 3303.05,805.91
  pour cut-out: 2680,840 2580,840 ccw(c2580,900.36) 2622.68,857.68 2645,880
  pour cut-out: 2560,1045 2660,1045 2660,1068.58 ccw(c2560,1068.58) 2630.71,1139.29 2625,1145
  pour cut-out: 3891.31,1146.1 3891.31,946.1 3830,946.1 3830,945
  pour cut-out: 3891.31,646.1 3710,646.1 3710,760 3780,760
  text "湖北工业大学 蓝电零队 / 节能信标组 2021年8月 / 李欣泽 张翰霆 韩景琦" at 2537.08,2081.68 h90 r189

## Silkscreen, mask and mechanical layers (free items; w line width, h text height)
Top Overlay:
  drawing of 2349 lines, arcs and shapes, not listed
  text "HBUT   Landian Zero / Wireless Beacon / 2021 - 08" at 3100,2035.22 h90 r270
  text "1> 3.3V / 2> Cam" at 5630,1145 h90
  text ">>>" at 2220.84,985 h120
Bottom Solder:
  text "湖北工业大学 蓝电零队 / 节能信标组 2021年8月 / 李欣泽 张翰霆 韩景琦" at 2537.08,2081.68 h90 r189
Mechanical 1:
  drawing of 1119 lines, arcs and shapes, not listed

## Text inside footprints (layer, text, board x,y; h text height)
DIP1: Top Overlay "ON         KE" at 2650.76,1750 h47.24 r270
DIP2: Top Overlay "ON         KE" at 2650.76,2025 h47.24 r270
DIP3: Top Overlay "2" at 5799.5,1423.28 h31.5; Top Overlay "ON" at 5683.76,1591.58 h31.5; Top Overlay "1" at 5704.75,1423.28 h31.5
K1: Top Overlay "D" at 2113.6,1540.34 h39.37 r21; Top Overlay "C" at 2312.34,1468.4 h39.37 r291; Top Overlay "B" at 2246.4,1272.66 h39.37 r201; Top Overlay "A" at 2039.66,1343.6 h39.37 r111